# KiCad board gk-pcbv3.kicad_pcb (continued)
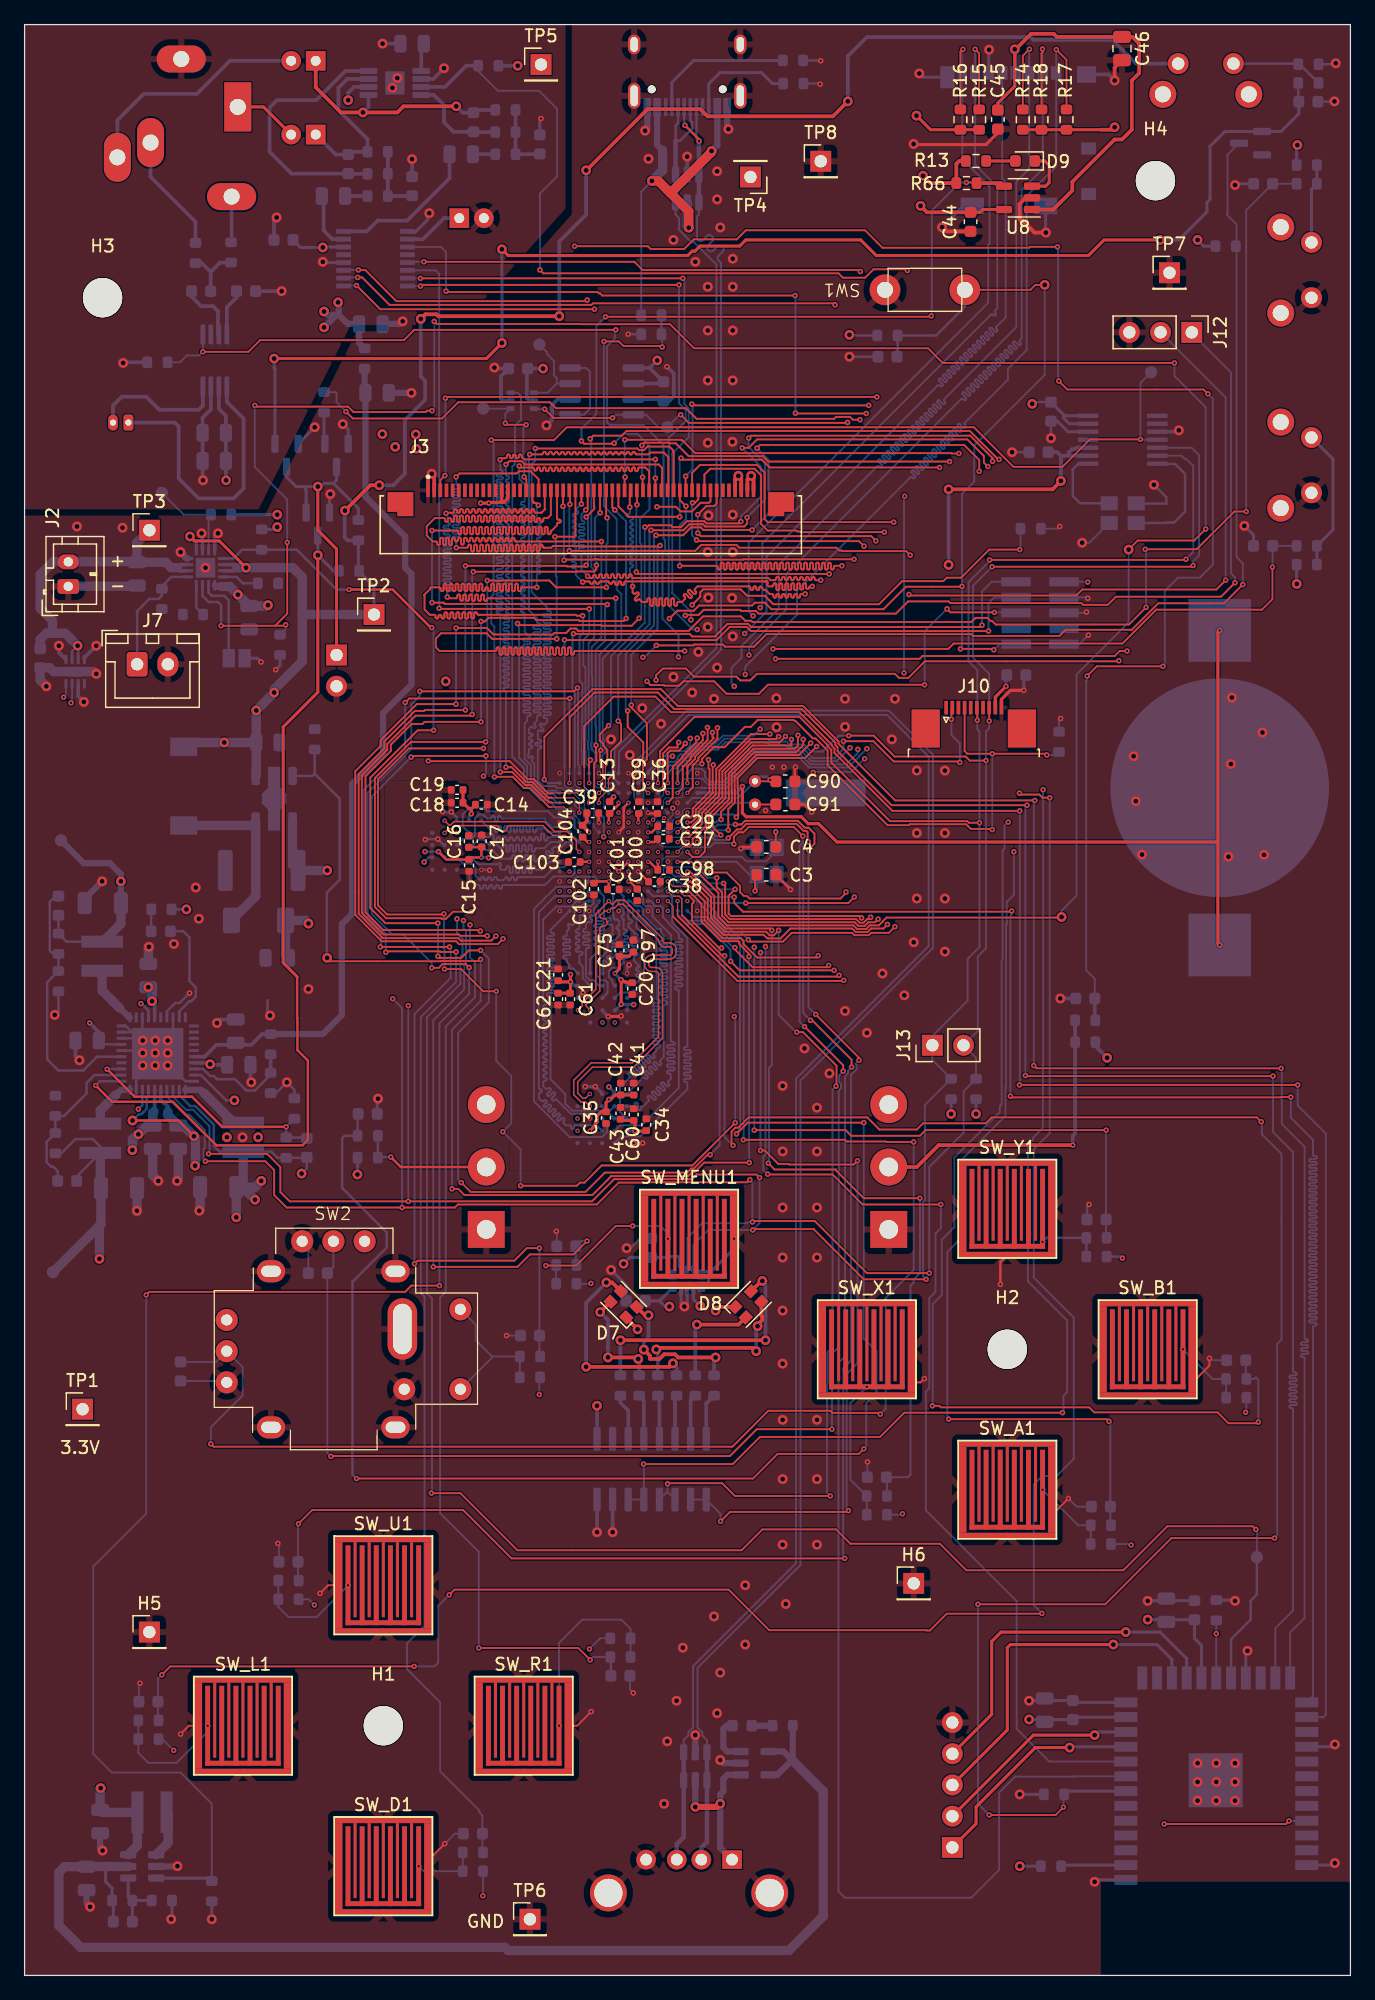
[diagram p0: board, top side]
## Routing (per net, layer and track width the routed paths; a pad name or vN(x,y) marks a point on that pad's centre or on a via; arc(x,y) is an arc through that point) (continued)
LTDC_R6: length 71.8
  Top w0.152: J3.21 42.85,118.85 42.6,118.59 42.33,118.59 arc(42.26,118.56) 42.24,118.5 42.24,118.39 arc(42.21,118.32) 42.14,118.29 42.09,118.29 arc(42.02,118.32) 41.99,118.39 41.99,118.5 arc(41.96,118.56) 41.9,118.59 41.85,118.59 arc(41.78,118.56) 41.75,118.5 41.75,118.39 arc(41.72,118.32) 41.65,118.29 41.6,118.29 arc(41.54,118.32) 41.51,118.39 41.51,118.7 arc(41.48,118.76) 41.41,118.79 41.36,118.79 arc(41.29,118.76) 41.27,118.7 41.27,118.39 arc(41.24,118.32) 41.17,118.29 41.12,118.29 arc(41.05,118.32) 41.02,118.39 41.02,118.7 arc(40.99,118.76) 40.93,118.79 40.88,118.79 arc(40.81,118.76) 40.78,118.7 40.78,118.39 arc(40.75,118.32) 40.68,118.29 40.64,118.29 arc(40.57,118.32) 40.54,118.39 40.54,118.7 arc(40.51,118.76) 40.44,118.79 40.39,118.79 arc(40.32,118.76) 40.3,118.7 40.3,118.39 arc(40.27,118.32) 40.2,118.29 40.15,118.29 arc(40.08,118.32) 40.05,118.39 40.05,118.7 arc(40.03,118.76) 39.96,118.79 39.91,118.79 arc(39.84,118.76) 39.81,118.7 39.81,118.39 arc(39.78,118.32) 39.71,118.29 39.67,118.29 arc(39.6,118.32) 39.57,118.39 39.57,118.7 arc(39.54,118.76) 39.47,118.79 39.42,118.79 arc(39.35,118.76) 39.33,118.7 39.33,118.39 arc(39.3,118.32) 39.23,118.29 39.18,118.29 arc(39.11,118.32) 39.08,118.39 39.08,118.7 arc(39.06,118.76) 38.99,118.79 38.94,118.79 arc(38.87,118.76) 38.84,118.7 38.84,118.39 arc(38.81,118.32) 38.74,118.29 38.7,118.29 arc(38.63,118.32) 38.6,118.39 38.6,118.7 arc(38.57,118.76) 38.5,118.79 38.45,118.79 arc(38.39,118.76) 38.36,118.7 38.36,118.39 arc(38.33,118.32) 38.26,118.29 38.21,118.29 arc(38.14,118.32) 38.11,118.39 38.11,118.7 arc(38.09,118.76) 38.02,118.79 37.97,118.79 arc(37.9,118.76) 37.87,118.7 37.87,118.39 arc(37.84,118.32) 37.78,118.29 37.73,118.29 arc(37.66,118.32) 37.63,118.39 37.63,118.7 arc(37.6,118.76) 37.53,118.79 37.48,118.79 arc(37.42,118.76) 37.39,118.7 37.39,118.39 arc(37.36,118.32) 37.29,118.29 37.24,118.29 arc(37.17,118.32) 37.14,118.39 37.14,118.7 arc(37.12,118.76) 37.05,118.79 37,118.79 arc(36.93,118.76) 36.9,118.7 36.9,118.39 arc(36.87,118.32) 36.81,118.29 36.76,118.29 arc(36.69,118.32) 36.66,118.39 36.66,118.7 arc(36.63,118.76) 36.56,118.79 36.51,118.79 arc(36.45,118.76) 36.42,118.7 36.42,118.39 arc(36.39,118.32) 36.32,118.29 36.27,118.29 arc(36.2,118.32) 36.18,118.39 36.18,118.7 arc(36.15,118.76) 36.08,118.79 36.03,118.79 arc(35.96,118.76) 35.93,118.7 35.93,118.39 arc(35.9,118.32) 35.84,118.29 35.79,118.29 arc(35.72,118.32) 35.69,118.39 35.69,118.7 arc(35.66,118.76) 35.59,118.79 35.54,118.79 arc(35.48,118.76) 35.45,118.7 35.45,118.39 arc(35.42,118.32) 35.35,118.29 35.3,118.29 arc(35.23,118.32) 35.21,118.39 35.21,118.7 arc(35.18,118.76) 35.11,118.79 35.06,118.79 arc(34.99,118.76) 34.96,118.7 34.96,118.39 arc(34.93,118.32) 34.87,118.29 34.82,118.29 arc(34.75,118.32) 34.72,118.39 34.72,118.5 arc(34.69,118.56) 34.62,118.59 34.58,118.59 arc(34.51,118.56) 34.48,118.5 34.48,118.39 arc(34.45,118.32) 34.38,118.29 34.33,118.29 arc(34.26,118.32) 34.24,118.39 34.24,118.5 arc(34.21,118.56) 34.14,118.59 33.4,118.59 32.74,117.93 32.74,117.17 33.22,116.69 33.49,116.69 arc(33.56,116.66) 33.59,116.59 33.59,116.48 arc(33.61,116.42) 33.68,116.39 33.73,116.39 arc(33.8,116.42) 33.83,116.48 33.83,116.89 arc(33.86,116.96) 33.93,116.99 33.97,116.99 arc(34.04,116.96) 34.07,116.89 34.07,116.48 arc(34.1,116.42) 34.17,116.39 34.22,116.39 arc(34.29,116.42) 34.31,116.48 34.31,116.89 arc(34.34,116.96) 34.41,116.99 34.46,116.99 arc(34.53,116.96) 34.56,116.89 34.56,116.48 arc(34.58,116.42) 34.65,116.39 34.7,116.39 arc(34.77,116.42) 34.8,116.48 34.8,116.89 arc(34.83,116.96) 34.9,116.99 34.94,116.99 arc(35.01,116.96) 35.04,116.89 35.04,116.78 arc(35.07,116.72) 35.14,116.69 35.19,116.69 arc(35.25,116.72) 35.28,116.78 35.28,116.89 arc(35.31,116.96) 35.38,116.99 35.43,116.99 arc(35.5,116.96) 35.53,116.89 35.53,116.53 arc(35.55,116.47) 35.62,116.44 35.67,116.44 arc(35.74,116.47) 35.77,116.53 35.77,116.89 arc(35.8,116.96) 35.86,116.99 35.91,116.99 arc(35.98,116.96) 36.01,116.89 36.01,116.78 arc(36.04,116.72) 36.11,116.69 36.16,116.69 arc(36.22,116.72) 36.25,116.78 36.25,116.89 arc(36.28,116.96) 36.35,116.99 36.4,116.99 arc(36.47,116.96) 36.5,116.89 36.5,116.78 arc(36.52,116.72) 36.59,116.69 36.64,116.69 arc(36.71,116.72) 36.74,116.78 36.74,116.89 arc(36.77,116.96) 36.83,116.99 36.88,116.99 arc(36.95,116.96) 36.98,116.89 36.98,116.78 arc(37.01,116.72) 37.08,116.69 37.13,116.69 arc(37.19,116.72) 37.22,116.78 37.22,116.89 arc(37.25,116.96) 37.32,116.99 37.37,116.99 arc(37.44,116.96) 37.46,116.89 37.46,116.78 arc(37.49,116.72) 37.56,116.69 37.61,116.69 arc(37.68,116.72) 37.71,116.78 37.71,116.89 arc(37.74,116.96) 37.8,116.99 37.85,116.99 arc(37.92,116.96) 37.95,116.89 37.95,116.78 arc(37.98,116.72) 38.05,116.69 38.09,116.69 arc(38.16,116.72) 38.19,116.78 38.19,116.89 arc(38.22,116.96) 38.29,116.99 38.34,116.99 arc(38.41,116.96) 38.43,116.89 38.43,116.78 arc(38.46,116.72) 38.53,116.69 38.58,116.69 arc(38.65,116.72) 38.68,116.78 38.68,116.89 arc(38.71,116.96) 38.77,116.99 38.82,116.99 arc(38.89,116.96) 38.92,116.89 38.92,116.78 arc(38.95,116.72) 39.02,116.69 39.06,116.69 arc(39.13,116.72) 39.16,116.78 39.16,116.89 arc(39.19,116.96) 39.26,116.99 39.31,116.99 arc(39.38,116.96) 39.4,116.89 39.4,116.78 arc(39.43,116.72) 39.5,116.69 39.55,116.69 arc(39.62,116.72) 39.65,116.78 39.65,116.89 arc(39.67,116.96) 39.74,116.99 39.79,116.99 arc(39.86,116.96) 39.89,116.89 39.89,116.78 arc(39.92,116.72) 39.99,116.69 v1(46.96,116.69)
  Bottom w0.09: 46.47,98.34 46.45,98.31 46.45,96.81 46.6,96.66 46.96,96.66 47.16,96.46 47.16,95.03 U4.E10
  Bottom w0.152: v1(46.96,116.69) 46.96,108.89 46.18,108.1 46.18,105.72 46.23,105.67 46.23,103.95 46.18,103.9 46.18,100.32 46.13,100.27 46.13,99.95 46.18,99.9 46.18,99.75 46.47,99.46 46.47,98.34
LTDC_R7: length 67.5
  Top w0.09: 46.99,98.53 47.08,98.43 47.08,98.35 47.08,98.34 47.08,97.34 v3(46.77,97.03)
  Top w0.152: v1(34.42,112.17) 34.52,112.06 35.13,112.06 arc(35.2,112.09) 35.23,112.16 35.23,112.27 arc(35.26,112.34) 35.33,112.36 35.38,112.36 arc(35.44,112.34) 35.47,112.27 35.47,111.96 arc(35.5,111.89) 35.57,111.86 35.62,111.86 arc(35.69,111.89) 35.71,111.96 35.71,112.27 arc(35.74,112.34) 35.81,112.36 35.86,112.36 arc(35.93,112.34) 35.96,112.27 35.96,111.96 arc(35.99,111.89) 36.05,111.86 36.1,111.86 arc(36.17,111.89) 36.2,111.96 36.2,112.27 arc(36.23,112.34) 36.3,112.36 36.35,112.36 arc(36.41,112.34) 36.44,112.27 36.44,111.96 arc(36.47,111.89) 36.54,111.86 36.59,111.86 arc(36.66,111.89) 36.68,111.96 36.68,112.27 arc(36.71,112.34) 36.78,112.36 36.83,112.36 arc(36.9,112.34) 36.93,112.27 36.93,111.96 arc(36.96,111.89) 37.02,111.86 37.07,111.86 arc(37.14,111.89) 37.17,111.96 37.17,112.27 arc(37.2,112.34) 37.27,112.36 37.31,112.36 arc(37.38,112.34) 37.41,112.27 37.41,111.96 arc(37.44,111.89) 37.51,111.86 37.56,111.86 arc(37.63,111.89) 37.65,111.96 37.65,111.97 arc(37.68,112.04) 37.75,112.06 v1(48.13,112.06) ; v1(46.91,99.7) 46.84,99.62 46.84,98.73 46.99,98.58 46.99,98.53 ; v1(34.32,118.98) 34.36,119.02 34.86,119.02 arc(34.93,119.05) 34.95,119.12 34.95,119.23 arc(34.98,119.3) 35.05,119.32 35.1,119.32 arc(35.17,119.3) 35.2,119.23 35.2,119.12 arc(35.23,119.05) 35.29,119.02 35.34,119.02 arc(35.41,119.05) 35.44,119.12 35.44,119.23 arc(35.47,119.3) 35.54,119.32 35.58,119.32 arc(35.65,119.3) 35.68,119.23 35.68,119.12 arc(35.71,119.05) 35.78,119.02 35.83,119.02 arc(35.9,119.05) 35.92,119.12 35.92,119.23 arc(35.95,119.3) 36.02,119.32 36.07,119.32 arc(36.14,119.3) 36.17,119.23 36.17,119.12 arc(36.19,119.05) 36.26,119.02 36.31,119.02 arc(36.38,119.05) 36.41,119.12 36.41,119.23 arc(36.44,119.3) 36.51,119.32 36.55,119.32 arc(36.62,119.3) 36.65,119.23 36.65,119.12 arc(36.68,119.05) 36.75,119.02 36.8,119.02 arc(36.87,119.05) 36.89,119.12 36.89,119.23 arc(36.92,119.3) 36.99,119.32 37.04,119.32 arc(37.11,119.3) 37.14,119.23 37.14,119.12 arc(37.16,119.05) 37.23,119.02 37.28,119.02 arc(37.35,119.05) 37.38,119.12 37.38,119.23 arc(37.41,119.3) 37.48,119.32 37.52,119.32 arc(37.59,119.3) 37.62,119.23 37.62,119.12 arc(37.65,119.05) 37.72,119.02 37.77,119.02 arc(37.83,119.05) 37.86,119.12 37.86,119.23 arc(37.89,119.3) 37.96,119.32 38.01,119.32 arc(38.08,119.3) 38.11,119.23 38.11,119.12 arc(38.13,119.05) 38.2,119.02 38.25,119.02 arc(38.32,119.05) 38.35,119.12 38.35,119.23 arc(38.38,119.3) 38.44,119.32 38.49,119.32 arc(38.56,119.3) 38.59,119.23 38.59,119.12 arc(38.62,119.05) 38.69,119.02 38.74,119.02 arc(38.8,119.05) 38.83,119.12 38.83,119.23 arc(38.86,119.3) 38.93,119.32 38.98,119.32 arc(39.05,119.3) 39.08,119.23 39.08,119.12 arc(39.1,119.05) 39.17,119.02 39.22,119.02 arc(39.29,119.05) 39.32,119.12 39.32,119.23 arc(39.35,119.3) 39.41,119.32 39.46,119.32 arc(39.53,119.3) 39.56,119.23 39.56,119.12 arc(39.59,119.05) 39.66,119.02 39.71,119.02 arc(39.77,119.05) 39.8,119.12 39.8,119.23 arc(39.83,119.3) 39.9,119.32 39.95,119.32 arc(40.02,119.3) 40.04,119.23 40.04,119.12 arc(40.07,119.05) 40.14,119.02 40.19,119.02 arc(40.26,119.05) 40.29,119.12 40.29,119.23 arc(40.32,119.3) 40.38,119.32 40.43,119.32 arc(40.5,119.3) 40.53,119.23 40.53,119.12 arc(40.56,119.05) 40.63,119.02 40.67,119.02 arc(40.74,119.05) 40.77,119.12 40.77,119.23 arc(40.8,119.3) 40.87,119.32 40.92,119.32 arc(40.99,119.3) 41.01,119.23 41.01,119.12 arc(41.04,119.05) 41.11,119.02 41.16,119.02 arc(41.23,119.05) 41.26,119.12 41.26,119.23 arc(41.29,119.3) 41.35,119.32 41.4,119.32 arc(41.47,119.3) 41.5,119.23 41.5,119.12 arc(41.53,119.05) 41.6,119.02 42.09,119.02 42.39,119.33 42.35,119.37 J3.20
  Bottom w0.152: v1(34.32,118.98) 34.42,118.88 34.42,118.32 arc(34.45,118.25) 34.51,118.23 34.52,118.23 arc(34.59,118.2) 34.62,118.13 34.62,118.08 arc(34.59,118.01) 34.52,117.98 34.21,117.98 arc(34.15,117.96) 34.12,117.89 34.12,117.84 arc(34.15,117.77) 34.21,117.74 34.52,117.74 arc(34.59,117.71) 34.62,117.64 34.62,117.6 arc(34.59,117.53) 34.52,117.5 34.21,117.5 arc(34.15,117.47) 34.12,117.4 34.12,117.35 arc(34.15,117.28) 34.21,117.26 34.52,117.26 arc(34.59,117.23) 34.62,117.16 34.62,117.11 arc(34.59,117.04) 34.52,117.01 34.21,117.01 arc(34.15,116.99) 34.12,116.92 34.12,116.87 arc(34.15,116.8) 34.21,116.77 34.57,116.77 arc(34.64,116.74) 34.67,116.67 34.67,116.63 arc(34.64,116.56) 34.57,116.53 34.21,116.53 arc(34.15,116.5) 34.12,116.43 34.12,116.38 arc(34.15,116.32) 34.21,116.29 34.62,116.29 arc(34.69,116.26) 34.72,116.19 34.72,116.14 arc(34.69,116.07) 34.62,116.04 34.21,116.04 arc(34.15,116.02) 34.12,115.95 34.12,115.9 arc(34.15,115.83) 34.21,115.8 34.62,115.8 arc(34.69,115.77) 34.72,115.71 34.72,115.66 arc(34.69,115.59) 34.62,115.56 34.21,115.56 arc(34.15,115.53) 34.12,115.46 34.12,115.41 arc(34.15,115.35) 34.21,115.32 34.62,115.32 arc(34.69,115.29) 34.72,115.22 34.72,115.17 arc(34.69,115.1) 34.62,115.07 34.21,115.07 arc(34.15,115.05) 34.12,114.98 34.12,114.93 arc(34.15,114.86) 34.21,114.83 34.62,114.83 arc(34.69,114.8) 34.72,114.74 34.72,114.69 arc(34.69,114.62) 34.62,114.59 34.21,114.59 arc(34.15,114.56) 34.12,114.49 34.12,114.44 arc(34.15,114.38) 34.21,114.35 34.62,114.35 arc(34.69,114.32) 34.72,114.25 34.72,114.2 arc(34.69,114.13) 34.62,114.11 34.21,114.11 arc(34.15,114.08) 34.12,114.01 34.12,113.96 arc(34.15,113.89) 34.21,113.86 34.62,113.86 arc(34.69,113.83) 34.72,113.77 34.72,113.72 arc(34.69,113.65) 34.62,113.62 34.21,113.62 arc(34.15,113.59) 34.12,113.52 34.12,113.47 arc(34.15,113.41) 34.21,113.38 34.62,113.38 arc(34.69,113.35) 34.72,113.28 34.72,113.23 arc(34.69,113.16) 34.62,113.14 34.21,113.14 arc(34.15,113.11) 34.12,113.04 34.12,112.99 arc(34.15,112.92) 34.21,112.89 34.62,112.89 arc(34.69,112.86) 34.72,112.8 34.72,112.75 arc(34.69,112.68) 34.62,112.65 34.51,112.65 arc(34.45,112.62) 34.42,112.55 v1(34.42,112.17) ; v1(48.13,112.06) 48.11,112.04 48.11,108.79 46.81,107.49 46.81,100.48 46.91,100.38 v1(46.91,99.7)
LTDC_VSYNC: length 69.5
  Top w0.152: v1(41.83,119.63) 41.66,119.81 41.45,119.81 41.45,119.89 41.35,119.99 J3.18 ; v1(41.71,112.95) 40.51,112.95 arc(40.45,112.93) 40.42,112.86 40.42,112.75 arc(40.39,112.68) 40.32,112.65 40.27,112.65 arc(40.2,112.68) 40.18,112.75 40.18,113.16 arc(40.15,113.23) 40.08,113.25 40.03,113.25 arc(39.96,113.23) 39.93,113.16 39.93,112.75 arc(39.9,112.68) 39.84,112.65 39.79,112.65 arc(39.72,112.68) 39.69,112.75 39.69,113.16 arc(39.66,113.23) 39.59,113.25 39.55,113.25 arc(39.48,113.23) 39.45,113.16 39.45,112.75 arc(39.42,112.68) 39.35,112.65 39.3,112.65 arc(39.23,112.68) 39.21,112.75 39.21,113.16 arc(39.18,113.23) 39.11,113.25 39.06,113.25 arc(38.99,113.23) 38.96,113.16 38.96,112.75 arc(38.94,112.68) 38.87,112.65 38.82,112.65 arc(38.75,112.68) 38.72,112.75 38.72,113.16 arc(38.69,113.23) 38.62,113.25 38.58,113.25 arc(38.51,113.23) 38.48,113.16 38.48,112.75 arc(38.45,112.68) 38.38,112.65 38.33,112.65 arc(38.26,112.68) 38.24,112.75 38.24,113.16 arc(38.21,113.23) 38.14,113.25 38.09,113.25 arc(38.02,113.23) 37.99,113.16 37.99,112.75 arc(37.97,112.68) 37.9,112.65 37.85,112.65 arc(37.78,112.68) 37.75,112.75 37.75,112.86 arc(37.72,112.93) 37.65,112.95 37.61,112.95 arc(37.54,112.93) 37.51,112.86 37.51,112.75 arc(37.48,112.68) 37.41,112.65 37.36,112.65 arc(37.3,112.68) 37.27,112.75 37.27,113.16 arc(37.24,113.23) 37.17,113.25 37.12,113.25 arc(37.05,113.23) 37.02,113.16 37.02,112.75 arc(37,112.68) 36.93,112.65 36.88,112.65 arc(36.81,112.68) 36.78,112.75 36.78,113.16 arc(36.75,113.23) 36.69,113.25 36.64,113.25 arc(36.57,113.23) 36.54,113.16 36.54,112.75 arc(36.51,112.68) 36.44,112.65 36.39,112.65 arc(36.33,112.68) 36.3,112.75 36.3,113.16 arc(36.27,113.23) 36.2,113.25 36.15,113.25 arc(36.08,113.23) 36.05,113.16 36.05,112.75 arc(36.03,112.68) 35.96,112.65 35.91,112.65 arc(35.84,112.68) 35.81,112.75 35.81,113.16 arc(35.78,113.23) 35.72,113.25 35.67,113.25 arc(35.6,113.23) 35.57,113.16 35.57,112.75 arc(35.54,112.68) 35.47,112.65 35.42,112.65 arc(35.36,112.68) 35.33,112.75 35.33,113.16 arc(35.3,113.23) 35.23,113.25 35.18,113.25 arc(35.11,113.23) 35.09,113.16 35.09,112.75 arc(35.06,112.68) 34.99,112.65 34.94,112.65 arc(34.87,112.68) 34.84,112.75 34.84,113.16 arc(34.81,113.23) 34.75,113.25 34.7,113.25 arc(34.63,113.23) 34.6,113.16 34.6,112.75 arc(34.57,112.68) 34.5,112.65 34.45,112.65 arc(34.39,112.68) 34.36,112.75 34.36,113.16 arc(34.33,113.23) 34.26,113.25 34.21,113.25 arc(34.14,113.23) 34.12,113.16 34.12,112.75 arc(34.09,112.68) 34.02,112.65 33.97,112.65 arc(33.9,112.68) 33.87,112.75 33.87,112.86 arc(33.84,112.93) 33.78,112.95 33.05,112.95 33.05,112.85 32.51,112.32 32.56,112.27 32.56,111.15 32.99,110.72 33.36,110.72 arc(33.43,110.69) 33.46,110.62 33.46,110.52 arc(33.49,110.45) 33.55,110.42 33.6,110.42 arc(33.67,110.45) 33.7,110.52 33.7,110.62 arc(33.73,110.69) 33.8,110.72 33.84,110.72 arc(33.91,110.69) 33.94,110.62 33.94,110.52 arc(33.97,110.45) 34.04,110.42 34.09,110.42 arc(34.16,110.45) 34.18,110.52 34.18,110.82 arc(34.21,110.89) 34.28,110.92 34.33,110.92 arc(34.4,110.89) 34.43,110.82 34.43,110.52 arc(34.45,110.45) 34.52,110.42 34.57,110.42 arc(34.64,110.45) 34.67,110.52 34.67,110.82 arc(34.7,110.89) 34.77,110.92 34.81,110.92 arc(34.88,110.89) 34.91,110.82 34.91,110.52 arc(34.94,110.45) 35.01,110.42 35.06,110.42 arc(35.13,110.45) 35.15,110.52 35.15,110.82 arc(35.18,110.89) 35.25,110.92 35.3,110.92 arc(35.37,110.89) 35.4,110.82 35.4,110.52 arc(35.42,110.45) 35.49,110.42 35.54,110.42 arc(35.61,110.45) 35.64,110.52 35.64,110.82 arc(35.67,110.89) 35.74,110.92 35.78,110.92 arc(35.85,110.89) 35.88,110.82 35.88,110.52 arc(35.91,110.45) 35.98,110.42 36.03,110.42 arc(36.09,110.45) 36.12,110.52 36.12,110.82 arc(36.15,110.89) 36.22,110.92 36.27,110.92 arc(36.34,110.89) 36.37,110.82 36.37,110.52 arc(36.39,110.45) 36.46,110.42 36.51,110.42 arc(36.58,110.45) 36.61,110.52 36.61,110.82 arc(36.64,110.89) 36.71,110.92 36.75,110.92 arc(36.82,110.89) 36.85,110.82 36.85,110.82 arc(36.88,110.75) 36.95,110.72 44.88,110.72 44.96,110.64 v1(45.44,110.64)
  Bottom w0.09: 45.61,98.34 45.58,98.31 45.58,96.61 U4.C12
  Bottom w0.152: 45.61,98.34 45.61,98.38 45.4,98.59 45.4,99.6 45.37,99.63 45.37,100.59 45.42,100.63 45.42,105.13 45.19,105.36 45.19,108.94 45.47,109.22 45.47,110.62 v1(45.44,110.64) ; v1(41.71,112.95) 41.71,113.98 arc(41.74,114.05) 41.8,114.08 41.91,114.08 arc(41.98,114.11) 42.01,114.18 42.01,114.23 arc(41.98,114.3) 41.91,114.32 41.8,114.32 arc(41.74,114.35) 41.71,114.42 41.71,114.47 arc(41.74,114.54) 41.8,114.57 41.91,114.57 arc(41.98,114.59) 42.01,114.66 42.01,114.71 arc(41.98,114.78) 41.91,114.81 41.8,114.81 arc(41.74,114.84) 41.71,114.91 41.71,114.95 arc(41.74,115.02) 41.8,115.05 41.91,115.05 arc(41.98,115.08) 42.01,115.15 42.01,115.2 arc(41.98,115.27) 41.91,115.29 41.8,115.29 arc(41.74,115.32) 41.71,115.39 41.71,115.44 arc(41.74,115.51) 41.8,115.54 41.91,115.54 arc(41.98,115.56) 42.01,115.63 42.01,115.68 arc(41.98,115.75) 41.91,115.78 41.8,115.78 arc(41.74,115.81) 41.71,115.88 41.71,115.92 arc(41.74,115.99) 41.8,116.02 41.91,116.02 arc(41.98,116.05) 42.01,116.12 42.01,116.17 arc(41.98,116.23) 41.91,116.26 41.8,116.26 arc(41.74,116.29) 41.71,116.36 41.71,116.41 arc(41.74,116.48) 41.8,116.51 41.91,116.51 arc(41.98,116.53) 42.01,116.6 42.01,116.65 arc(41.98,116.72) 41.91,116.75 41.8,116.75 arc(41.74,116.78) 41.71,116.85 41.71,116.89 arc(41.74,116.96) 41.8,116.99 41.91,116.99 arc(41.98,117.02) 42.01,117.09 42.01,117.14 arc(41.98,117.2) 41.91,117.23 41.8,117.23 arc(41.74,117.26) 41.71,117.33 41.71,117.38 arc(41.74,117.45) 41.8,117.48 41.91,117.48 arc(41.98,117.5) 42.01,117.57 42.01,117.62 arc(41.98,117.69) 41.91,117.72 41.8,117.72 arc(41.74,117.75) 41.71,117.81 41.71,117.86 arc(41.74,117.93) 41.8,117.96 41.91,117.96 arc(41.98,117.99) 42.01,118.06 42.01,118.11 arc(41.98,118.17) 41.91,118.2 41.8,118.2 arc(41.74,118.23) 41.71,118.3 41.71,119.51 v1(41.83,119.63)
MCU_PWR_EN: length 97.1
  Top w0.152: v1(68.02,126.59) 67.44,126.59 67.21,126.82 66.07,126.82 65.91,126.67 54.71,126.67 53.85,127.53 43.26,127.53 42.77,128.02 35.31,128.02 33.99,126.7 26.72,126.7 v1(26.16,127.25)
  In3.Cu w0.152: v1(68.58,99.83) 68.58,106.63 72.68,110.73 72.65,110.76 72.65,115.6 72.42,115.83 72.42,121.34 68.02,125.73 v1(68.02,126.59)
  Bottom w0.09: 55.14,96.63 53.79,96.63 53.59,96.43 53.59,95.92 53.48,95.82 52.21,95.82 52.01,95.62 52.01,94.98 U4.E4
  Bottom w0.152: 55.14,96.63 57.14,96.63 59.59,99.09 63.08,99.09 63.86,98.3 67.08,98.3 67.92,99.14 67.92,99.2 68.16,99.44 68.2,99.44 v1(68.58,99.83) ; 24.38,128.84 25.34,128.84 25.4,128.78 25.4,128.02 v1(26.16,127.25)
NRST: length 105.3
  Top w0.152: v1(78.92,107.87) 78.84,107.95 v1(76.2,107.95) ; SW1.1 81.9,137.17 82.3,137.57 v2(83.06,137.57) ; v1(52.5,110.41) 53.15,111.06 54.47,111.06 54.48,111.05 54.91,111.48 59.23,111.48 59.46,111.71 60.27,111.71 60.81,111.18 69.93,111.18 71.75,113 76.3,113 v1(76.33,113.03)
  In3.Cu w0.152: v3(52.37,91.43) 52.77,91.83 54.06,91.83 54.36,92.13 54.36,96.44 54.18,96.62 50.57,96.62 50.43,96.76 50.43,96.94 50.06,97.31 50.06,98.2 51.1,99.24 51.1,102.06 51.54,102.49 51.54,103.71 50.27,104.97 50.27,105.57 50.85,106.15 50.85,108.76 v1(52.5,110.41)
  Bottom w0.152: v2(83.06,137.57) 83.06,130.25 77.32,124.51 77.32,121.57 76.33,120.57 v1(76.33,113.03) 76.33,108.08 v1(76.2,107.95) ; v1(78.92,107.87) 79.38,108.33 80.73,108.33
  Bottom w0.203: C11.1 71.08,131.77 R9.2 74.22,133.45 76.55,135.79 SW1.1
PCM_MUTE: length 140.4
  Top w0.152: v1(71.88,138.73) 71.78,138.84 69.11,138.84 68.43,138.15 66.62,138.15 66.27,138.51 42.24,138.51 v1(41.96,138.79) ; v1(58.93,84.28) 59.09,84.12 61.75,84.12 62.46,84.84 67.38,84.84 67.56,84.65 68.73,84.65 68.92,84.84 70.36,84.84 v1(70.87,85.34)
  In3.Cu w0.152: v1(70.87,85.34) 70.87,97.61 72.52,99.26 72.52,105.87 72.54,105.89 72.54,106.65 76.96,111.07 76.96,124.71 71.4,130.28 71.42,130.3 71.42,135.33 72.09,135.99 72.09,138.53 v1(71.88,138.73)
  Bottom w0.09: U4.M6 51.24,88.56 51.68,88.56 51.99,88.86 51.99,89.22 52.14,89.37 52.52,89.37 52.82,89.06 52.82,88.73 52.98,88.58 53.33,88.58 53.54,88.38 53.54,88.07 53.74,87.87 54.93,87.87
  Bottom w0.152: v1(58.93,84.28) 58.35,84.86 57.73,84.86 56.3,86.29 56.3,86.5 54.93,87.87 ; R71.1 36.92,154.97 38.53,153.37 41.88,153.37 43.36,151.89 43.36,146.41 41.96,145.01 v1(41.96,138.79)
  Bottom w0.305: R71.1 35.95,155.4 34.22,153.68 U14.3
PCM_ZERO: length 109.3
  Top w0.152: v1(62.76,127.13) 62.79,127.1 v1(68.53,127.1) ; v1(34.32,137.06) 34.39,136.98 46.66,136.98 46.76,136.88 46.86,136.88 47.04,136.7 v1(62.74,136.7)
  In3.Cu w0.152: v1(68.53,127.1) 68.55,127.1 72.95,122.71 72.95,110.52 68.91,106.48 68.91,100.3 68.99,100.23 68.99,99.59 v1(68.4,99.01) ; v1(64.21,97.89) 63.63,97.31 63.63,94.21 64.29,93.55 64.29,87.22 63.42,86.36 57.58,86.36 56.52,87.43 v3(53.97,87.43)
  Bottom w0.152: v1(34.32,137.06) 34.32,140.23 33.9,140.65 U7.11 ; v1(62.76,127.13) 62.76,136.68 v1(62.74,136.7) ; v1(68.4,99.01) 67.34,97.94 64.26,97.94 v1(64.21,97.89)
ROT_A: length 9.3
  Bottom w0.152: R37.1 R36.2 20.66,29.98 21.49,29.16 23.77,29.16 26.33,31.72 v1(26.33,31.75)
ROT_B: length 5.3
  Bottom w0.152: R39.1 R38.2 32.49,8.48 v1(32.08,8.89)
ROT_SW: length 12.6
  Bottom w0.152: 38.05,50.37 R80.1 R81.1 ; 38.05,50.37 38.05,50.26 SW2.3 ; 38.05,50.37 36.73,51.69 36.73,52.96 SW2.1
SAI1_FS_A: length 73.1
  Top w0.152: v1(27.18,138.79) 27.74,138.79 30.28,136.25 45.72,136.25 v1(45.81,136.33)
  In3.Cu w0.152: v1(45.81,136.33) 45.81,132.75 46.79,131.78 46.79,121.44 48.49,119.74 48.49,118.72 48.64,118.57 48.64,111.43 48.01,110.79 48.01,102.97 48.96,102.02 48.96,100.57 48.06,99.67 48.06,97.08 49.56,95.58 49.56,93.7 49.83,93.42 50.19,93.42 50.42,93.19 50.42,92.89 50.73,92.58 53.31,92.58 53.54,92.81 53.54,93.97 53.97,94.39 v3(53.97,94.63)
  Bottom w0.152: 25.97,138.75 26.01,138.79 v1(27.18,138.79)
SAI1_MCLK_A: length 67.4
  Top w0.152: v1(32.23,137.46) 32.33,137.57 v1(53.29,137.57) ; v1(56.01,101.14) 56.01,100.78 56.11,100.69 54.59,99.17 54.59,99 53.97,98.38 53.97,98.34 v3(53.97,97.03)
  In3.Cu w0.152: v1(56.01,101.14) 56.01,101.69 56.28,101.96 56.36,101.96 57.33,102.92 57.33,104.29 56.9,104.72 56.9,105.74 57.07,105.92 57.07,107.19 54.76,109.5 v1(54.76,109.52)
  Bottom w0.152: U7.16 31.19,137.46 v1(32.23,137.46) ; v1(53.29,137.57) 53.29,127.94 53.82,127.4 53.82,126.5 52.45,125.12 52.45,111.46 54.39,109.52 v1(54.76,109.52)
SAI1_SCK_A: length 71.4
  Top w0.152: v1(46.41,135.59) 28.96,135.59 v1(27.03,137.52)
  In3.Cu w0.152: v1(46.41,135.59) 46.1,135.28 46.1,132.89 47.09,131.9 47.09,121.56 48.82,119.84 48.82,118.82 48.95,118.69 48.95,111.2 48.36,110.62 48.36,103.07 49.29,102.15 49.29,100.55 48.3,99.56 48.3,97.24 49.91,95.63 49.91,94.49 50.37,94.03 50.37,93.65 50.57,93.45 51.26,93.45 51.61,93.8 51.61,94.72 51.88,94.98 v1(52.77,94.98)
  Bottom w0.09: U4.F4 52.37,94.02 52.77,94.42 v1(52.77,94.98)
  Bottom w0.152: v1(27.03,137.52) 26.01,137.52 25.97,137.48
SAI1_SD_A: length 91.2
  Top w0.152: v1(65.99,135.94) 65.86,136.07 46.28,136.07 46.15,135.94 29.72,135.94 27.48,138.18 v1(27.13,138.18) ; v1(56.71,94.06) 56.71,94.7 57.59,95.58 57.59,96.37 57.57,96.39 57.57,97.7 59.41,99.54 62.82,99.54 63.4,100.13 v1(63.4,100.58)
  In3.Cu w0.152: v1(65.99,135.94) 66.07,135.86 66.07,110.87 63.4,108.2 v1(63.4,100.58)
  Bottom w0.152: U4.E1 55.36,94.63 56.18,93.81 56.28,93.81 56.37,93.9 56.4,93.9 56.56,94.06 v1(56.71,94.06) ; 25.97,138.11 26.04,138.18 v1(27.13,138.18)
SD_PWR: length 100.9
  Top w0.152: v1(76.68,145.9) 77.46,145.9 R66.2 ; v1(45.34,124.87) 45.56,124.64 47.96,124.64 v1(48.01,124.69) ; v1(50.04,110.44) 49.43,109.83 46.99,109.83 46.94,109.88 40.27,109.88 v1(40.14,110.01) ; v1(73.83,135.04) 73.76,134.98 v1(47.29,134.98)
  Top w0.305: U8.4 79.5,145.85 R66.2 77.51,145.56
  Bottom w0.152: v1(76.68,145.9) 76.15,145.9 73.86,143.61 73.86,135.08 v1(73.83,135.04) ; U4.D15 43.33,95.43 42.86,95.9 42.13,95.9 40.92,97.1 40.92,98.43 40.26,99.09 40.26,109.89 v1(40.14,110.01) ; v1(48.01,124.69) 48.77,125.45 49.9,125.45 50.88,124.47 50.88,119.3 50.11,118.54 50.11,116.59 50.22,116.48 50.22,110.62 v1(50.04,110.44) ; v1(47.29,134.98) 46.56,134.24 46.56,127.08 45.34,125.86 v1(45.34,124.87)
SDMMC1_CK: length 88.4
  In3.Cu w0.152: v1(52.76,99.21) 54.97,99.21 55.5,99.75 55.7,99.75 58.42,102.46 58.42,105.11 58.04,105.49 58.04,108.13 58.62,108.71 v1(58.62,109.19)
  Bottom w0.152: J4.5 79.6,146.18 79.83,145.95 79.83,145.8 79.88,145.75 79.88,134.92 79.12,134.16 arc(79.09,134.09) 79.12,134.02 79.19,133.95 arc(79.22,133.89) 79.19,133.82 79.15,133.78 arc(79.09,133.75) 79.02,133.78 78.74,134.06 arc(78.67,134.09) 78.6,134.06 78.57,134.02 arc(78.54,133.96) 78.57,133.89 78.85,133.61 arc(78.87,133.54) 78.85,133.47 78.81,133.44 arc(78.74,133.41) 78.67,133.44 78.4,133.72 arc(78.33,133.74) 78.26,133.72 78.23,133.68 arc(78.2,133.61) 78.23,133.54 78.5,133.27 arc(78.53,133.2) 78.5,133.13 78.47,133.1 arc(78.4,133.07) 78.33,133.1 78.06,133.37 arc(77.99,133.4) 77.92,133.37 77.88,133.34 arc(77.86,133.27) 77.88,133.2 78.16,132.93 arc(78.19,132.86) 78.16,132.79 78.13,132.75 arc(78.06,132.73) 77.99,132.75 77.71,133.03 arc(77.64,133.06) 77.58,133.03 77.54,133 arc(77.51,132.93) 77.54,132.86 77.82,132.58 arc(77.85,132.51) 77.82,132.45 77.78,132.41 arc(77.71,132.38) 77.65,132.41 77.37,132.69 arc(77.3,132.72) 77.23,132.69 77.2,132.65 arc(77.17,132.58) 77.2,132.52 77.47,132.24 arc(77.5,132.17) 77.47,132.1 77.44,132.07 arc(77.37,132.04) 77.3,132.07 77.03,132.34 arc(76.96,132.37) 76.89,132.34 76.86,132.31 arc(76.83,132.24) 76.86,132.17 77.13,131.9 arc(77.16,131.83) 77.13,131.76 77.1,131.73 arc(77.03,131.7) 76.96,131.73 76.68,132 arc(76.62,132.03) 76.55,132 76.51,131.97 arc(76.48,131.9) 76.51,131.83 76.79,131.56 arc(76.82,131.49) 76.79,131.42 76.75,131.38 arc(76.69,131.36) 76.62,131.38 76.34,131.66 arc(76.27,131.69) 76.2,131.66 76.17,131.62 arc(76.14,131.56) 76.17,131.49 76.45,131.21 arc(76.47,131.14) 76.45,131.08 76.41,131.04 arc(76.34,131.01) 76.27,131.04 76,131.32 arc(75.93,131.34) 75.86,131.32 75.83,131.28 arc(75.8,131.21) 75.83,131.14 76.1,130.87 arc(76.13,130.8) 76.1,130.73 76.07,130.7 arc(76,130.67) 75.93,130.7 75.66,130.97 arc(75.59,131) 75.52,130.97 75.48,130.94 arc(75.46,130.87) 75.48,130.8 75.76,130.53 arc(75.79,130.46) 75.76,130.39 75.73,130.36 arc(75.66,130.33) 75.59,130.36 75.31,130.63 arc(75.24,130.66) 75.18,130.63 75.14,130.6 arc(75.11,130.53) 75.14,130.46 75.42,130.18 arc(75.45,130.12) 75.42,130.05 75.38,130.01 arc(75.31,129.98) 75.25,130.01 74.97,130.29 arc(74.9,130.32) 74.83,130.29 74.8,130.25 arc(74.77,130.18) 74.8,130.12 75.07,129.84 arc(75.1,129.77) 75.07,129.7 75.04,129.67 arc(74.97,129.64) 74.9,129.67 74.63,129.94 arc(74.56,129.97) 74.49,129.94 74.46,129.91 arc(74.43,129.84) 74.46,129.77 74.73,129.5 arc(74.76,129.43) 74.73,129.36 74.7,129.33 arc(74.63,129.3) 74.56,129.33 74.49,129.4 arc(74.42,129.42) 74.35,129.4 72.37,127.42 60.45,115.49 60.43,115.49 60.4,115.47 60.4,110.97 v1(58.62,109.19) ; v1(52.76,99.21) 52.5,99.21 51.73,98.44 51.58,98.44 51.18,98.04 51.18,96.8 51,96.62 50.55,96.62 50.37,96.44 50.37,95.03 U4.E7